# KiCad board tc2-panelized.kicad_pcb
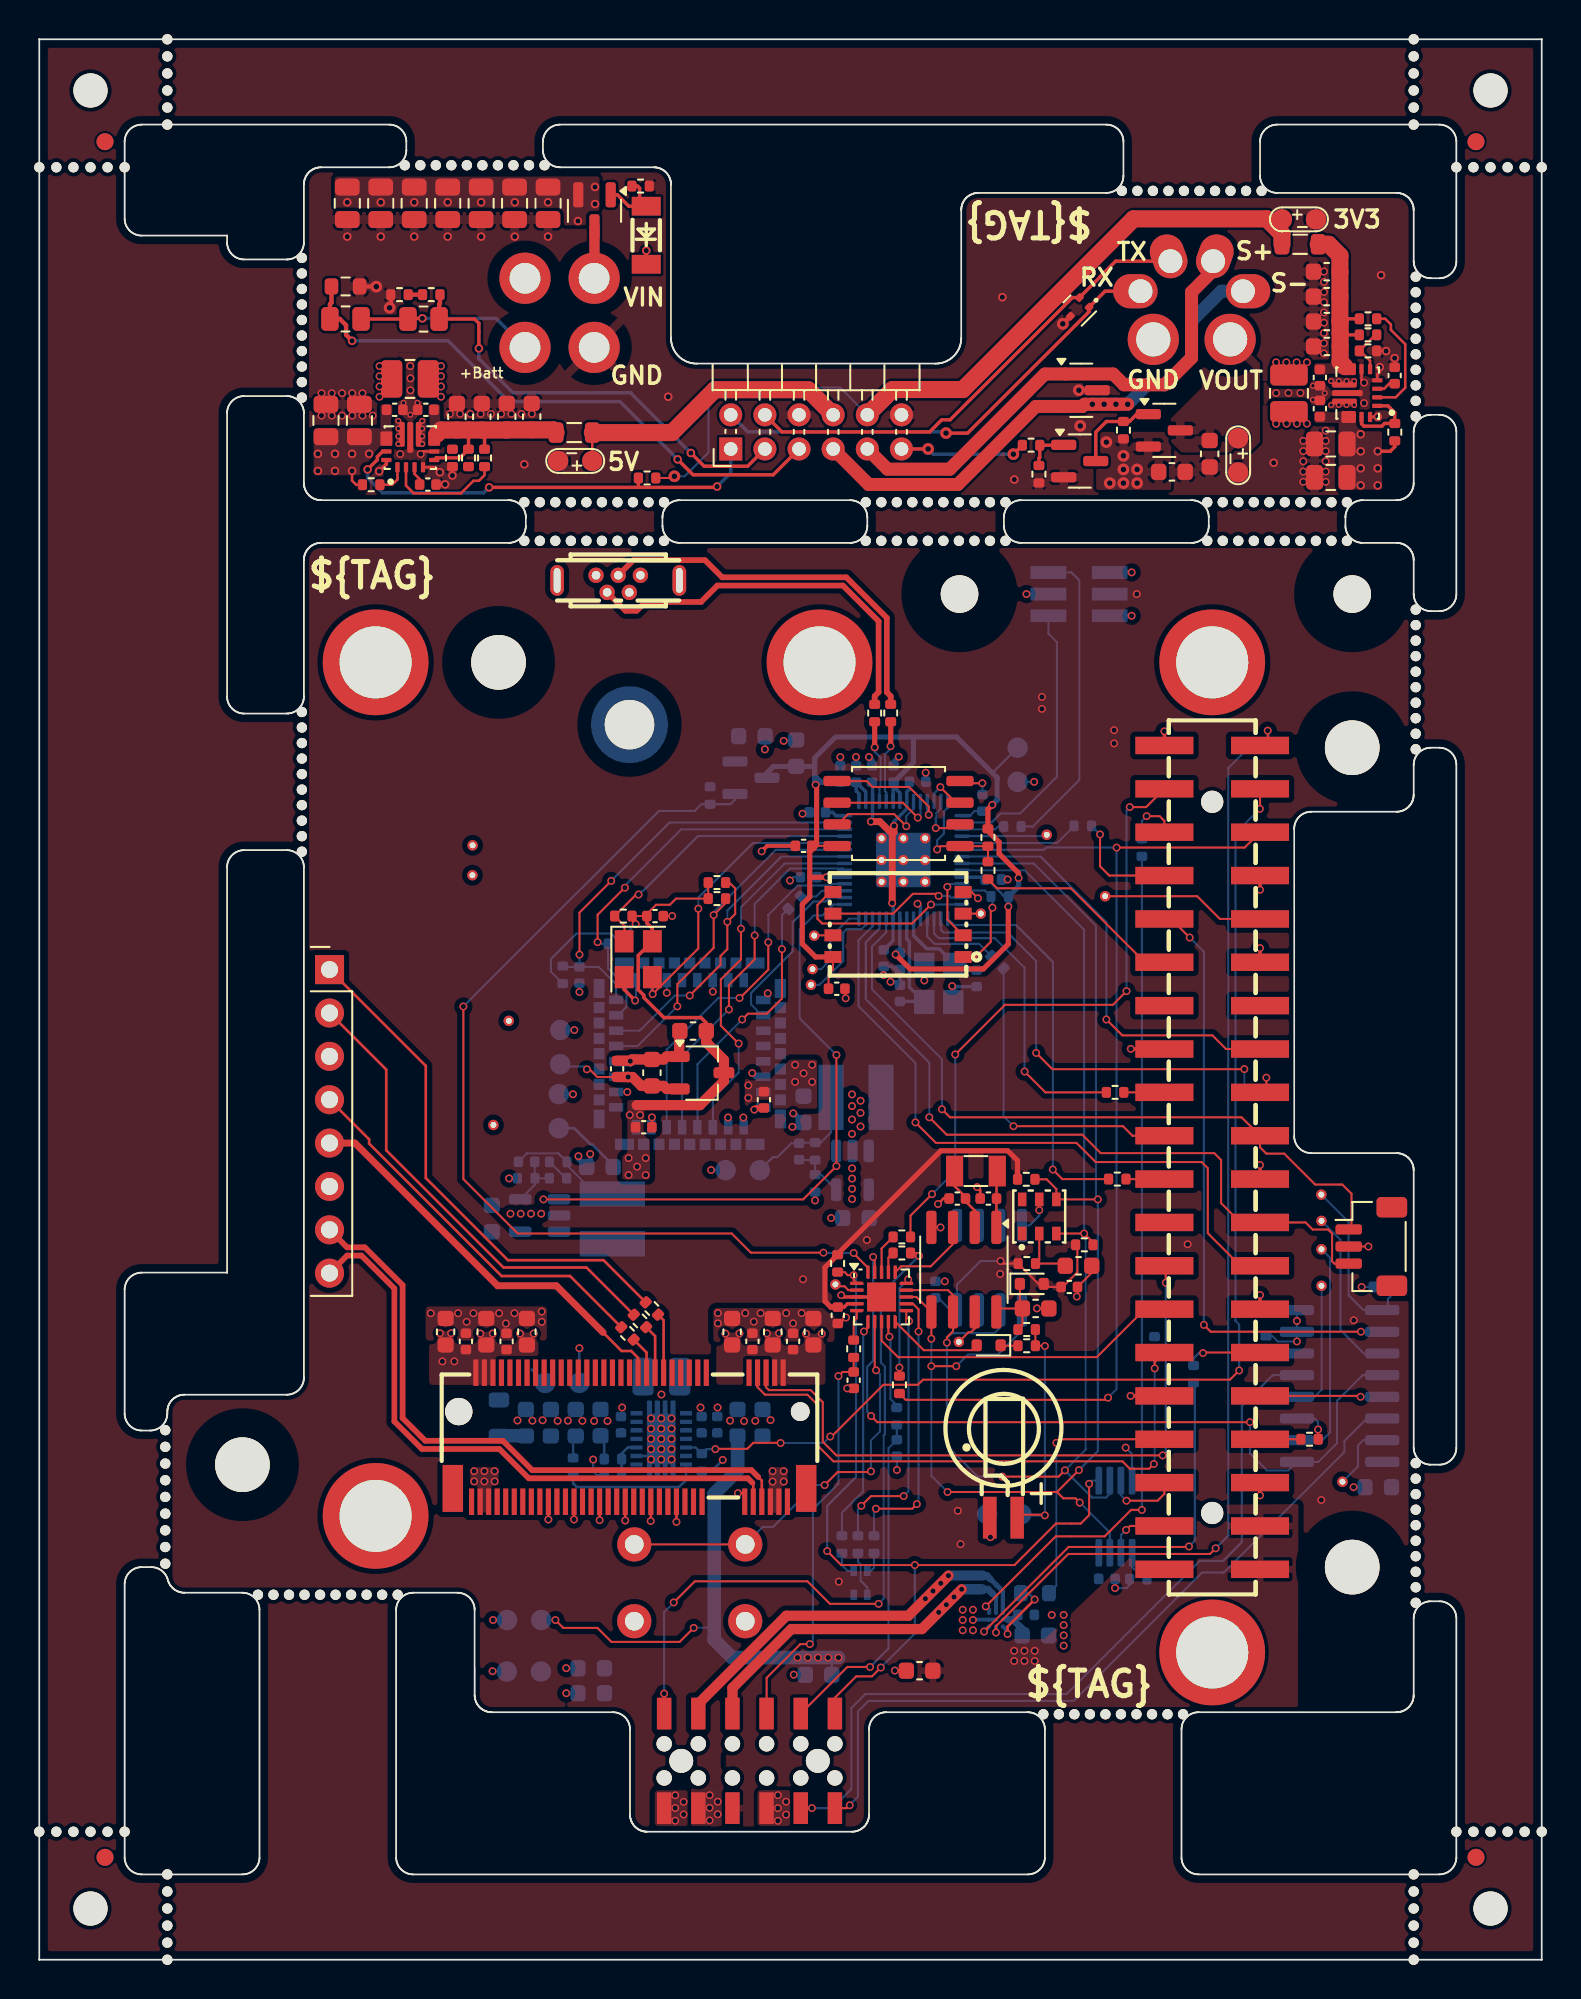
[diagram p0: board, top side]
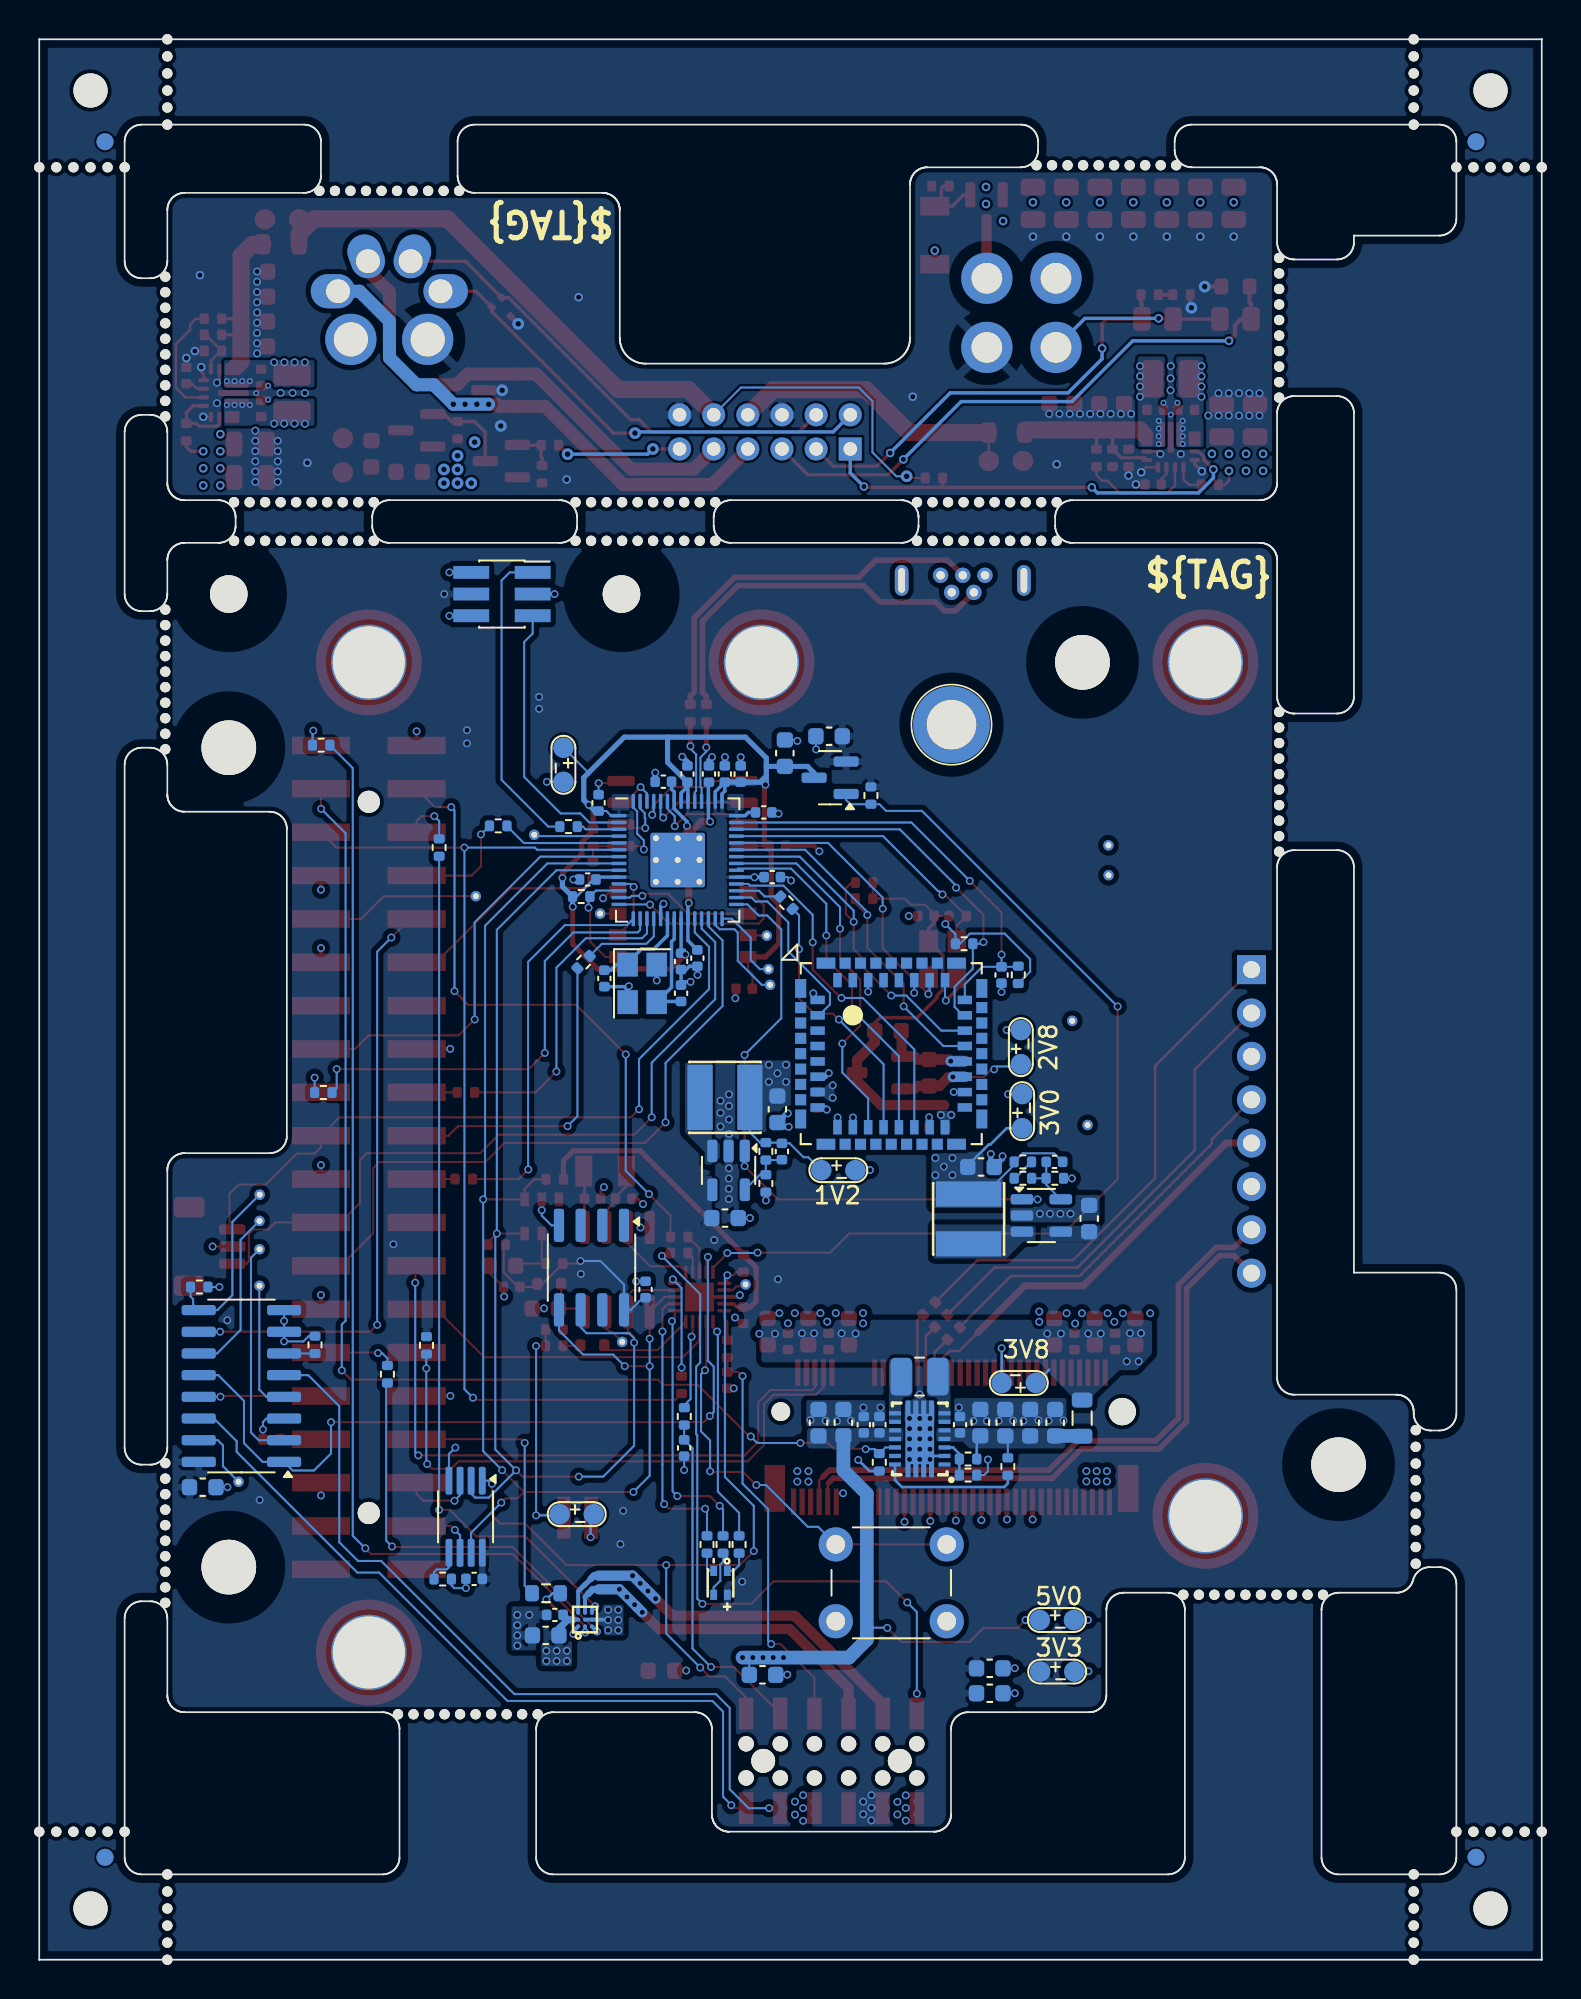
[diagram p1: board, bottom side, seen from below]

Outline 88 x 112.5 mm; copper layers: Top, In1.Cu, In2.Cu, Bottom. Coordinates in mm from the lower left corner of the outline.
Stack: Top 0.035mm / dielectric 0.48mm FR4 er 4.5 / In1.Cu 0.035mm / dielectric 0.48mm FR4 er 4.5 / In2.Cu 0.035mm / dielectric 0.48mm FR4 er 4.5 / Bottom 0.035mm

## Placement (name value [footprint] x y rotation side)
Board_0-BT1  Battery_Cell  [CAP-SMD_FL11E]  56.47 26.07 270 top
Board_0-C1  220nF  [C_0402_1005Metric]  46.77 37.75 90 top
Board_0-C2  220nF  [C_0402_1005Metric]  44.77 65.25 180 top
Board_0-C3  12pF  [C_0402_1005Metric]  54.9 57.48 90 bottom
Board_0-C4  12pF  [C_0402_1005Metric]  50.41 56.62 270 bottom
Board_0-C5  220nF  [C_0402_1005Metric]  51.45 69.01 0 bottom
Board_0-C6  220nF  [C_0402_1005Metric]  49.46 58.67 270 bottom
Board_0-C7  1u  [C_0402_1005Metric]  48.78 69.46 90 bottom
Board_0-C8  220nF  [C_0402_1005Metric]  55.88 63.28 0 bottom
Board_0-C9  1u  [C_0402_1005Metric]  47.85 69.46 90 bottom
Board_0-C10  220nF  [C_0402_1005Metric]  45.07 63.42 180 bottom
Board_0-C11  220nF  [C_0402_1005Metric]  45.57 67.21 180 bottom
Board_0-C12  220nF  [C_0402_1005Metric]  55.24 67.77 90 bottom
Board_0-C13  220nF  [C_0402_1005Metric]  50.41 58.48 270 bottom
Board_0-C14  220nF  [C_0402_1005Metric]  50.04 69.46 90 bottom
Board_0-C15  220nF  [C_0402_1005Metric]  46.92 69.46 90 bottom
Board_0-C16  220nF  [C_0402_1005Metric]  46.71 56.88 0 top
Board_0-C17  1u  [C_0402_1005Metric]  60.33 39.41 0 top
Board_0-C18  10uF  [C_0603_1608Metric]  58.36 38.15 0 top
Board_0-C19  220nF  [C_0402_1005Metric]  42.44 50.38 270 top
Board_0-C20  220nF  [C_0402_1005Metric]  35.4 48.77 0 top
Board_0-C21  10uF  [C_0603_1608Metric]  38.29 54.4 180 top
Board_0-C22  220nF  [C_0402_1005Metric]  33.84 52.19 90 top
Board_0-C23  10uF  [C_0603_1608Metric]  35.88 51.96 90 top
Board_0-C24  220nF  [C_0402_1005Metric]  36.07 61.14 0 top
Board_0-C25  10uF  [C_0603_1608Metric]  26.51 43.42 90 bottom
Board_0-C26  10uF  [C_0603_1608Metric]  47.83 43.45 180 bottom
Board_0-C27  220nF  [C_0402_1005Metric]  31.64 57.69 270 bottom
Board_0-C28  10uF  [C_0603_1608Metric]  58.34 19 0 bottom
Board_0-C29  220nF  [C_0402_1005Metric]  57.8 20.2 180 bottom
Board_0-C30  10uF  [C_0603_1608Metric]  32.84 46.44 180 bottom
Board_0-C31  10uF  [C_0603_1608Metric]  44.77 49.82 270 bottom
Board_0-C32  12pF  [C_0402_1005Metric]  41.77 36.22 270 top
Board_0-C33  22uF  [C_0603_1608Metric]  23.8 36.79 90 top
Board_0-C34  22uF  [C_0603_1608Metric]  26.18 36.79 90 top
Board_0-C35  22uF  [C_0603_1608Metric]  28.56 36.79 90 top
Board_0-C36  220nF  [C_0402_1005Metric]  24.99 36.22 270 top
Board_0-C37  10uF  [C_0603_1608Metric]  78.42 27.68 180 bottom
Board_0-C38  10uF  [C_0603_1608Metric]  44.33 70.68 90 bottom
Board_0-C39  10uF  [C_0603_1608Metric]  60.87 40.65 0 top
Board_0-C40  12pF  [C_0402_1005Metric]  27.37 36.22 270 top
Board_0-C41  12pF  [C_0402_1005Metric]  28.54 46.74 180 bottom
Board_0-C42  12pF  [C_0402_1005Metric]  44.5 47.35 90 bottom
Board_0-C43  10uF  [C_0603_1608Metric]  41.74 71.67 0 bottom
Board_0-C44  12pF  [C_0402_1005Metric]  50.23 29.98 90 bottom
Board_0-C45  220nF  [C_0402_1005Metric]  34.07 31.34 270 bottom
Board_0-C46  12pF  [C_0402_1005Metric]  38.79 31.34 270 bottom
Board_0-C47  220nF  [C_0402_1005Metric]  39.71 31.34 270 bottom
Board_0-C48  220nF  [C_0402_1005Metric]  52.49 39.26 270 bottom
Board_0-C49  22uF  [C_0603_1608Metric]  32.88 31.46 90 bottom
Board_0-C50  220nF  [C_0402_1005Metric]  62.53 22.31 180 bottom
Board_0-C51  220nF  [C_0402_1005Metric]  44.15 36.22 270 top
Board_0-C52  22uF  [C_0603_1608Metric]  31.42 31.46 90 bottom
Board_0-C53  22uF  [C_0603_1608Metric]  29.96 31.46 90 bottom
Board_0-C54  22uF  [C_0603_1608Metric]  42.36 31.46 90 bottom
Board_0-C55  22uF  [C_0603_1608Metric]  40.9 31.46 90 bottom
Board_0-C56  12pF  [C_0402_1005Metric]  47.7 33.95 90 top
Board_0-C57  22uF  [C_0603_1608Metric]  40.58 36.79 90 top
Board_0-C58  22uF  [C_0603_1608Metric]  42.96 36.79 90 top
Board_0-C59  22uF  [C_0603_1608Metric]  45.34 36.79 90 top
Board_0-C60  22uF  [C_0603_1608Metric]  28.5 31.46 90 bottom
Board_0-C61  22pF  [C_0402_1005Metric]  53.77 44.59 180 top
Board_0-C62  22uF  [C_0603_1608Metric]  51.56 16.93 180 top
Board_0-C63  22pF  [C_0402_1005Metric]  55.59 44.59 180 top
Board_0-C64  22uF  [C_0603_1608Metric]  45.64 16.69 180 bottom
Board_0-C65  22uF  [C_0603_1608Metric]  32.33 15.61 180 bottom
Board_0-C66  22uF  [C_0603_1608Metric]  32.33 17.07 180 bottom
Board_0-D2  D  [D_SOD-523]  55.61 35.99 180 top
Board_0-D3  D  [D_SOD-523]  58.13 39.59 0 top
Board_0-FB1  FerriteBead  [L_0805_2012Metric]  26.92 31.73 90 bottom
Board_0-H1  MountingHole  [MountingHole_3.2mm_M3]  26.9 76 180 bottom
Board_0-H2  MountingHole  [MountingHole_3.2mm_M3]  11.9 29 180 bottom
Board_0-H3  MountingHole  [MountingHole_3.2mm_M3]  76.9 23 180 bottom
Board_0-H4  MountingHole  [MountingHole_3.2mm_M3]  76.9 71 180 bottom
Board_0-H5  MountingHole  [MountingHole_2.2mm_M2]  76.9 80 180 bottom
Board_0-H6  MountingHole  [MountingHole_2.2mm_M2]  53.9 80 180 bottom
Board_0-J1  Screw_Terminal_01x01  [smd_nut_SMTSO25]  19.7 76 0 top
Board_0-J2  Screw_Terminal_01x01  [smd_nut_SMTSO25]  68.7 76 0 top
Board_0-J3  Conn_01x03  [JST_SH_BM03B-SRSS-TB_1x03-1MP_P1.00mm_Vertical]  78.02 41.78 270 top
Board_0-J4  Raspberry_Pi_2_3  [HDR-SMD_40P-P2.54-V-F-R2-C20-LS8.2-EH]  68.7 47 180 top
Board_0-J5  Screw_Terminal_01x01  [smd_nut_SMTSO25]  45.7 76 0 top
Board_0-J6  Screw_Terminal_01x01  [smd_nut_SMTSO25]  68.7 18 0 top
Board_0-J7  Screw_Terminal_01x01  [M2_modem_mount_screw]  34.57 72.35 180 bottom
Board_0-J8  Screw_Terminal_01x01  [smd_nut_SMTSO25]  19.7 26 0 top
Board_0-J9  Conn_02x03_Odd_Even  [mic-pcb]  60.9 80 180 bottom
Board_0-J10  Conn_02x06_Odd_Even  [power-pcb-3.1]  41.6 11.65 180 top
Board_0-J11  Conn_01x08  [sim-usb-pcb]  17 58 0 top
Board_0-J12  USB_B_Micro  [MICRO-USB-TH_MICRO-USB-A14]  33.91 80.6 0 top  (not fitted)
Board_0-L1  4.7uH  [IND-SMD_L4.0-W4.0_SWPA4018S]  33.57 43.4 270 bottom
Board_0-L2  4.7uH  [IND-SMD_L4.0-W4.0_SWPA4018S]  47.84 50.52 0 bottom
Board_0-L3  INDUCTOR  [L_1008_2520Metric]  36.44 34.16 180 bottom
Board_0-LED1  NH-B1515RGBA-HF  [LED-ARRAY-SMD_4P-L1.6-W1.5-TL_NH-B1515RGBA]  48.1 22.08 270 bottom
Board_0-Q1  Q_PMOS_GSD  [SOT-23]  41.68 69.24 0 bottom
Board_0-R1  1k  [R_0402_1005Metric]  55.57 63.81 270 top
Board_0-R2  DNF  [R_0402_1005Metric]  55.56 65.74 270 top
Board_0-R3  180R  [R_0402_1005Metric]  48.89 24.32 270 bottom
Board_0-R4  180R  [R_0402_1005Metric]  47.95 24.32 270 bottom
Board_0-R5  180R  [R_0402_1005Metric]  47.01 24.32 270 bottom
Board_0-R6  100k  [R_0402_1005Metric]  46.76 40.79 90 top
Board_0-R7  1k  [R_0402_1005Metric]  57.83 35.97 180 top
Board_0-R8  1k  [R_0402_1005Metric]  57.83 36.92 0 top
Board_0-R9  100k  [R_0402_1005Metric]  56.26 62.28 0 bottom
Board_0-R10  10k  [R_0402_1005Metric]  57.81 45.72 0 top
Board_0-R11  10k  [R_0402_1005Metric]  61.21 41.88 0 top
Board_0-R12  1M  [R_0603_1608Metric]  58.31 21.47 180 bottom
Board_0-R13  100k  [R_0402_1005Metric]  39.69 63.1 0 top
Board_0-R14  22ohm  [R_0402_1005Metric]  63.14 45.73 180 top
Board_0-R15  1k  [R_0402_1005Metric]  50.38 33.68 270 top
Board_0-R16  22ohm  [R_0402_1005Metric]  44.24 61.92 225 bottom
Board_0-R17  100k  [R_0402_1005Metric]  34.21 61.14 0 top
Board_0-R18  100k  [R_0402_1005Metric]  33.83 59.52 180 bottom
Board_0-R19  100k  [R_0402_1005Metric]  30.66 57.7 90 bottom
Board_0-R20  390k  [R_0402_1005Metric]  30.39 45.78 0 bottom
Board_0-R21  100k  [R_0402_1005Metric]  28.52 45.78 180 bottom
Board_0-R22  100k  [R_0402_1005Metric]  45.44 47.36 90 bottom
Board_0-R23  100k  [R_0402_1005Metric]  45.44 45.48 270 bottom
Board_0-R24  100k  [R_0402_1005Metric]  65.32 35.99 270 bottom
Board_0-R25  22ohm  [R_0402_1005Metric]  35.88 38.15 135 top
Board_0-R26  22ohm  [R_0402_1005Metric]  35.18 37.42 135 top
Board_0-R27  22ohm  [R_0402_1005Metric]  34.45 36.69 135 top
Board_0-R28  22ohm  [R_0402_1005Metric]  57 66.38 0 bottom
Board_0-R29  22ohm  [R_0402_1005Metric]  64.58 65.15 90 bottom
Board_0-R30  22ohm  [R_0402_1005Metric]  71.49 71.15 0 bottom
Board_0-R31  22ohm  [R_0402_1005Metric]  71.36 50.8 180 bottom
Board_0-R32  22ohm  [R_0402_1005Metric]  63.01 50.81 180 top
Board_0-R33  10k  [R_0402_1005Metric]  30.39 46.74 0 bottom
Board_0-R34  22ohm  [R_0402_1005Metric]  67.61 34.3 90 bottom
Board_0-R35  1k  [R_0402_1005Metric]  50.52 42.34 0 top
Board_0-R36  100k  [R_0402_1005Metric]  39.69 62.16 0 top
Board_0-R37  1k  [R_0402_1005Metric]  74.4 30.49 0 top
Board_0-R38  100k  [R_0402_1005Metric]  39.29 68.2 90 bottom
Board_0-R39  180R  [R_0402_1005Metric]  57.84 40.78 0 top
Board_0-R40  10k  [R_0402_1005Metric]  50.22 31.83 270 bottom
Board_0-R41  100k  [R_0402_1005Metric]  71.85 36.02 270 bottom
Board_0-R42  1M  [R_0402_1005Metric]  33.6 29.33 0 bottom
Board_0-R43  1M  [R_0402_1005Metric]  31.27 28.89 270 bottom
Board_0-R44  100k  [R_0402_1005Metric]  38.8 29.14 270 bottom
Board_0-R45  150k  [R_0402_1005Metric]  33.6 28.39 180 bottom
Board_0-R46  1k  [R_0402_1005Metric]  50.52 41.4 0 top
Board_0-R47  100k  [R_0402_1005Metric]  78.63 39.41 0 bottom
Board_0-R48  22ohm  [R_0402_1005Metric]  56.12 58.44 315 bottom
Board_0-R49  10k  [R_0402_1005Metric]  47.7 35.79 270 top
Board_0-R50  22ohm  [R_0402_1005Metric]  49.87 73.03 90 top
Board_0-R51  22ohm  [R_0402_1005Metric]  48.93 73.03 90 top
Board_0-R52  100k  [R_0402_1005Metric]  64.37 22.3 0 bottom
Board_0-R53  1k  [R_0402_1005Metric]  61.12 66.42 180 bottom
Board_0-SW1  SW_Push  [SW_PUSH_6mm]  41.35 24.33 180 bottom
Board_0-TP1  TP_2P  [test-point-2p]  30.63 33.79 180 bottom
Board_0-TP2  TestPoint  [TP]  46.63 39.56 180 bottom
Board_0-TP3  TP_2P  [test-point-2p]  57.3 70 90 bottom
Board_0-TP4  TP_2P  [test-point-2p]  30.43 49.71 270 bottom
Board_0-TP5  TP_2P  [test-point-2p]  30.51 53.46 270 bottom
Board_0-TP6  TP_2P  [test-point-2p]  28.38 16.88 0 bottom
Board_0-TP7  TestPoint  [TP]  75.09 44.82 180 bottom
Board_0-TP8  TP_2P  [test-point-2p]  41.2 46.25 0 bottom
Board_0-TP10  TP_2P  [test-point-2p]  28.4 19.9 0 bottom
Board_0-TP11  TestPoint  [TP]  75.1 43.28 180 bottom
Board_0-TP12  TestPoint  [TP]  59.01 65.9 90 bottom
Board_0-TP13  TP_2P  [test-point-2p]  56.52 26.1 0 bottom
Board_0-TP14  TestPoint  [TP]  25.38 65.28 180 bottom
Board_0-TP15  TestPoint  [TP]  76.33 28 180 bottom
Board_0-TP16  TestPoint  [TP]  75.1 41.62 180 bottom
Board_0-TP17  TestPoint  [TP]  53.86 36.19 180 top
Board_0-TP18  TestPoint  [TP]  25.37 63.53 180 bottom
Board_0-TP19  TestPoint  [TP]  26.6 48.9 180 bottom
Board_0-TP20  TestPoint  [TP]  27.5 55 180 bottom
Board_0-TP21  TestPoint  [TP]  75.1 39.48 180 bottom
Board_0-TP22  TestPoint  [TP]  62.43 62.3 180 bottom
Board_0-TP26  TestPoint  [TP]  45.2 57.11 90 bottom
Board_0-TP27  TestPoint  [TP]  45.29 58.03 90 bottom
Board_0-TP40  TestPoint  [TP]  55.15 61.28 90 bottom
Board_0-TP41  TestPoint  [TP]  45.39 59.99 90 bottom
Board_0-U1  ATtiny1616-M  [VQFN-20-1EP_3x3mm_P0.4mm_EP1.7x1.7mm]  49.33 38.83 0 top
Board_0-U2  W25Q128JVS  [SOIC-8_5.23x5.23mm_P1.27mm]  50.33 67.14 180 top
Board_0-U3  RP2040  [RP2040-QFN-56]  50.61 64.42 180 bottom
Board_0-U4  MT29F2G01ABAGDWB-IT  [U-PDFN-8_L6.0-W8.0-P1.27-BL]  50.3 60.65 90 top
Board_0-U5  TPS6302x  [VSON-14_L4.0-W3.0-P0.50-BL-EP_TI_DSJ]  36.43 30.51 90 bottom
Board_0-U6  PCF8563T  [SOIC-8_3.9x4.9mm_P1.27mm]  54.16 40.42 270 top
Board_0-U7  ME6216A28XG  [TSOT-23]  38.79 51.96 0 top
Board_0-U8  Flir_LEPTON  [MOLEX_105028-1001]  38.1 53.08 180 bottom
Board_0-U9  3N25000G33YC  [Oscillator_SMD_Abracon_ASE-4Pin_3.2x2.5mm]  35.08 58.61 270 top
Board_0-U10  TD6810  [TSOT-23-5]  29.31 43.6 180 bottom
Board_0-U11  TD6810  [TSOT-23-5]  47.63 46.24 270 bottom
Board_0-U12  SIM7600G-H-M.2  [M.2]  34.57 30.61 180 top
Board_0-U13  AHT20_C2757850  [SENSOR-SMD_L3.0-W3.0-P1.00-BR]  58.57 43.54 270 top
Board_0-U14  MAX98357AEWL+T  [WLP-9_L1.4-W1.3-P0.40-R3-C3-BR]  56.03 19.93 270 bottom
Board_0-U15  74HC4052  [SOP-16_3.9x9.9mm_P1.27mm]  76.16 33.61 0 bottom
Board_0-U16  M24C02-WMN  [SOIC-8_3.9x4.9mm_P1.27mm]  55.66 40.55 270 bottom
Board_0-U18  TCA4311ADGKR  [MSOP-8_3x3mm_P0.65mm]  63.03 25.95 270 bottom
Board_0-Y1  Crystal_GND24  [Crystal_SMD_3225-4Pin_3.2x2.5mm]  52.69 57.2 270 bottom
Board_0-Y2  Crystal  [Crystal_SMD_3215-2Pin_3.2x1.5mm]  54.86 46.2 180 top
Board_1-C1  10uF  [C_0603_1608Metric]  66.34 87.16 0 top
Board_1-C2  22uF  [C_0805_2012Metric]  27.84 102.89 270 top
Board_1-C3  10uF  [C_0603_1608Metric]  68.55 88.22 270 top
Board_1-C4  22uF  [C_0805_2012Metric]  75.64 86.84 180 top
Board_1-C5  22uF  [C_0805_2012Metric]  75.64 88.8 180 top
Board_1-C6  2.2uF  [C_0402_1005Metric]  75 90.87 90 top
Board_1-C7  10uF  [C_0402_1005Metric]  75 92.69 270 top
Board_1-C8  22uF  [C_0603_1608Metric]  75.41 94.5 180 top
Board_1-C9  22uF  [C_0603_1608Metric]  75.41 95.97 180 top
Board_1-C10  22uF  [C_0603_1608Metric]  75.41 97.42 180 top
Board_1-C11  22uF  [C_0603_1608Metric]  75.41 98.88 180 top
Board_1-C12  100nF  [C_0402_1005Metric]  79.38 92.81 90 top
Board_1-C13  22uF  [C_0805_2012Metric]  16.79 90.16 90 top
Board_1-C14  22uF  [C_0805_2012Metric]  18.75 90.16 90 top
Board_1-C15  2.2uF  [C_0402_1005Metric]  20.82 90.8 0 top
Board_1-C16  10uF  [C_0402_1005Metric]  22.64 90.8 180 top
Board_1-C17  22uF  [C_0603_1608Metric]  24.46 90.38 90 top
Board_1-C18  22uF  [C_0603_1608Metric]  25.92 90.38 90 top
Board_1-C19  22uF  [C_0603_1608Metric]  27.38 90.4 90 top
Board_1-C20  22uF  [C_0603_1608Metric]  28.84 90.4 90 top
Board_1-C21  100nF  [C_0402_1005Metric]  22.76 86.41 0 top
Board_1-C22  22uF  [C_0805_2012Metric]  29.8 102.89 270 top
Board_1-C23  22uF  [C_0805_2012Metric]  25.88 102.89 270 top
Board_1-C24  22uF  [C_0805_2012Metric]  23.92 102.89 270 top
Board_1-C25  22uF  [C_0805_2012Metric]  21.96 102.89 270 top
Board_1-C26  22uF  [C_0805_2012Metric]  20 102.89 270 top
Board_1-C27  22uF  [C_0805_2012Metric]  18.04 102.89 270 top
Board_1-D1  D_Zener  [LL-34_L3.5-W1.5-RD]  35.55 101.02 90 top
Board_1-D2  UESD3.3DT5G  [SOT-723]  60.8 96.68 225 top
Board_1-D3  MMBZ9V1ALT1G  [SOT-23]  61.03 91.94 0 top
Board_1-FB1  FerriteBead  [L_0805_2012Metric]  73.85 100.49 180 top
Board_1-FB2  FerriteBead  [L_0805_2012Metric]  31.33 89.46 0 top
Board_1-J1  JCON_M16_04Pin  [jcon-4pin_m16]  30.48 96.47 90 top
Board_1-J2  JCON_M16_2+4Pin  [jcon-2+4pin-m16]  67.5 96.5 0 top
Board_1-J3  Conn_02x06_Odd_Even  [PinHeader_2x06_P2.00mm_Horizontal]  40.5 88.5 90 top
Board_1-L1  INDUCTOR  [L_1008_2520Metric]  73.19 91.76 90 top
Board_1-L2  INDUCTOR  [L_1008_2520Metric]  21.71 92.6 0 top
Board_1-Q1  Q_PMOS_GSD  [SOT-23]  65.89 89.59 0 top
Board_1-Q2  Q_PMOS_GSD  [SOT-23]  32.52 102.45 270 top
Board_1-Q3  AO3400A  [SOT-23]  60.94 87.79 0 top
Board_1-R1  100k  [R_0402_1005Metric]  63.5 89.6 270 top
Board_1-R2  1k  [R_0402_1005Metric]  58.09 88.72 0 top
Board_1-R3  100k  [R_0402_1005Metric]  58.55 87.02 90 top
Board_1-R4  100k  [R_0402_1005Metric]  35.22 103.9 0 top
Board_1-R5  2M  [R_0805_2012Metric]  17.94 96.12 180 top
Board_1-R6  2M  [R_0805_2012Metric]  22.51 96.11 0 top
Board_1-R7  680k  [R_0603_1608Metric]  17.94 98.02 0 top
Board_1-R8  100k  [R_0402_1005Metric]  22.96 97.54 180 top
Board_1-R9  100k  [R_0402_1005Metric]  35.6 86.8 180 top
Board_1-R10  68k  [R_0402_1005Metric]  21.1 97.54 180 top
Board_1-R11  470k  [R_0402_1005Metric]  77.83 95.19 0 top
Board_1-R12  10k  [R_0402_1005Metric]  79.4 89.48 90 top
Board_1-R13  150k  [R_0402_1005Metric]  77.83 94.25 0 top
Board_1-R14  100k  [R_0402_1005Metric]  77.83 96.12 0 top
Board_1-R15  680k  [R_0402_1005Metric]  25.14 87.97 270 top  (not fitted)
Board_1-R16  10k  [R_0402_1005Metric]  19.44 86.41 0 top
Board_1-R17  130k  [R_0402_1005Metric]  24.2 87.97 270 top  (not fitted)
Board_1-R18  100k  [R_0402_1005Metric]  26.08 87.97 270 top
Board_1-TP1  TestPoint_2Pole  [test-point-2p]  70.22 88.13 90 top
Board_1-TP2  TestPoint_2Pole  [test-point-2p]  73.78 101.95 180 top
Board_1-TP3  TestPoint_2Pole  [test-point-2p]  31.39 87.8 0 top
Board_1-U1  TPS63070RNMR  [TPS63070]  77.22 91.78 180 top
Board_1-U2  TPS63071  [TPS63070]  21.73 88.58 90 top
KiKit_FID_B_1  -  [Fiducial]  3.85 106.5 0 bottom
KiKit_FID_B_2  -  [Fiducial]  84.15 106.5 0 bottom
KiKit_FID_B_3  -  [Fiducial]  3.85 6 0 bottom
KiKit_FID_B_4  -  [Fiducial]  84.15 6 0 bottom
KiKit_FID_T_1  -  [Fiducial]  3.85 106.5 0 top
KiKit_FID_T_2  -  [Fiducial]  84.15 106.5 0 top
KiKit_FID_T_3  -  [Fiducial]  3.85 6 0 top
KiKit_FID_T_4  -  [Fiducial]  84.15 6 0 top
KiKit_MB_1_2  -  [NPTH]  80.62 29.09 0 top
KiKit_MB_1_3  -  [NPTH]  80.62 28.18 0 top
KiKit_MB_1_4  -  [NPTH]  80.62 27.27 0 top
KiKit_MB_1_5  -  [NPTH]  80.62 26.36 0 top
KiKit_MB_1_6  -  [NPTH]  80.62 25.45 0 top
KiKit_MB_1_7  -  [NPTH]  80.62 24.55 0 top
KiKit_MB_1_8  -  [NPTH]  80.62 23.64 0 top
KiKit_MB_1_9  -  [NPTH]  80.62 22.73 0 top
KiKit_MB_1_10  -  [NPTH]  80.62 21.82 0 top
KiKit_MB_1_11  -  [NPTH]  80.62 20.91 0 top
KiKit_MB_2_2  -  [NPTH]  28.41 83.12 0 top
KiKit_MB_2_3  -  [NPTH]  29.32 83.12 0 top
KiKit_MB_2_4  -  [NPTH]  30.23 83.12 0 top
KiKit_MB_2_5  -  [NPTH]  31.14 83.12 0 top
KiKit_MB_2_6  -  [NPTH]  32.05 83.12 0 top
KiKit_MB_2_7  -  [NPTH]  32.95 83.12 0 top
KiKit_MB_2_8  -  [NPTH]  33.86 83.12 0 top
KiKit_MB_2_9  -  [NPTH]  34.77 83.12 0 top
KiKit_MB_2_10  -  [NPTH]  35.68 83.12 0 top
KiKit_MB_2_11  -  [NPTH]  36.59 83.12 0 top
KiKit_MB_3_2  -  [NPTH]  68.41 83.12 0 top
KiKit_MB_3_3  -  [NPTH]  69.32 83.12 0 top
KiKit_MB_3_4  -  [NPTH]  70.23 83.12 0 top
KiKit_MB_3_5  -  [NPTH]  71.14 83.12 0 top
KiKit_MB_3_6  -  [NPTH]  72.05 83.12 0 top
KiKit_MB_3_7  -  [NPTH]  72.95 83.12 0 top
KiKit_MB_3_8  -  [NPTH]  73.86 83.12 0 top
KiKit_MB_3_9  -  [NPTH]  74.77 83.12 0 top
KiKit_MB_3_10  -  [NPTH]  75.68 83.12 0 top
KiKit_MB_3_11  -  [NPTH]  76.59 83.12 0 top
KiKit_MB_4_2  -  [NPTH]  80.62 79.09 0 top
KiKit_MB_4_3  -  [NPTH]  80.62 78.18 0 top
KiKit_MB_4_4  -  [NPTH]  80.62 77.27 0 top
KiKit_MB_4_5  -  [NPTH]  80.62 76.36 0 top
KiKit_MB_4_6  -  [NPTH]  80.62 75.45 0 top
KiKit_MB_4_7  -  [NPTH]  80.62 74.55 0 top
KiKit_MB_4_8  -  [NPTH]  80.62 73.64 0 top
KiKit_MB_4_9  -  [NPTH]  80.62 72.73 0 top
KiKit_MB_4_10  -  [NPTH]  80.62 71.82 0 top
KiKit_MB_4_11  -  [NPTH]  80.62 70.91 0 top
KiKit_MB_5_2  -  [NPTH]  7.38 23.2 0 top
KiKit_MB_5_3  -  [NPTH]  7.38 24.18 0 top
KiKit_MB_5_4  -  [NPTH]  7.38 25.15 0 top
KiKit_MB_5_5  -  [NPTH]  7.38 26.13 0 top
KiKit_MB_5_6  -  [NPTH]  7.38 27.11 0 top
KiKit_MB_5_7  -  [NPTH]  7.38 28.09 0 top
KiKit_MB_5_8  -  [NPTH]  7.38 29.07 0 top
KiKit_MB_5_9  -  [NPTH]  7.38 30.04 0 top
KiKit_MB_5_10  -  [NPTH]  7.38 31.02 0 top
KiKit_MB_6_2  -  [NPTH]  66.99 14.38 0 top
KiKit_MB_6_3  -  [NPTH]  66.08 14.38 0 top
KiKit_MB_6_4  -  [NPTH]  65.17 14.38 0 top
KiKit_MB_6_5  -  [NPTH]  64.26 14.38 0 top
KiKit_MB_6_6  -  [NPTH]  63.35 14.38 0 top
KiKit_MB_6_7  -  [NPTH]  62.45 14.38 0 top
KiKit_MB_6_8  -  [NPTH]  61.54 14.38 0 top
KiKit_MB_6_9  -  [NPTH]  60.63 14.38 0 top
KiKit_MB_6_10  -  [NPTH]  59.72 14.38 0 top
KiKit_MB_6_11  -  [NPTH]  58.81 14.38 0 top
KiKit_MB_7_2  -  [NPTH]  15.38 64.91 0 top
KiKit_MB_7_3  -  [NPTH]  15.38 65.82 0 top
KiKit_MB_7_4  -  [NPTH]  15.38 66.73 0 top
KiKit_MB_7_5  -  [NPTH]  15.38 67.64 0 top
KiKit_MB_7_6  -  [NPTH]  15.38 68.55 0 top